# Altium PCB Gatorsynth_Sequencer.PcbDoc (part 3 of 3)
Units mm, origin at the board's own origin, x right, y up, seen from the top; angles counter-clockwise.
Board outline 320 x 113.4 mm, 2 copper layers (Top Layer, Bottom Layer); 245 components, 280 nets, 1041 pads, 279 vias.
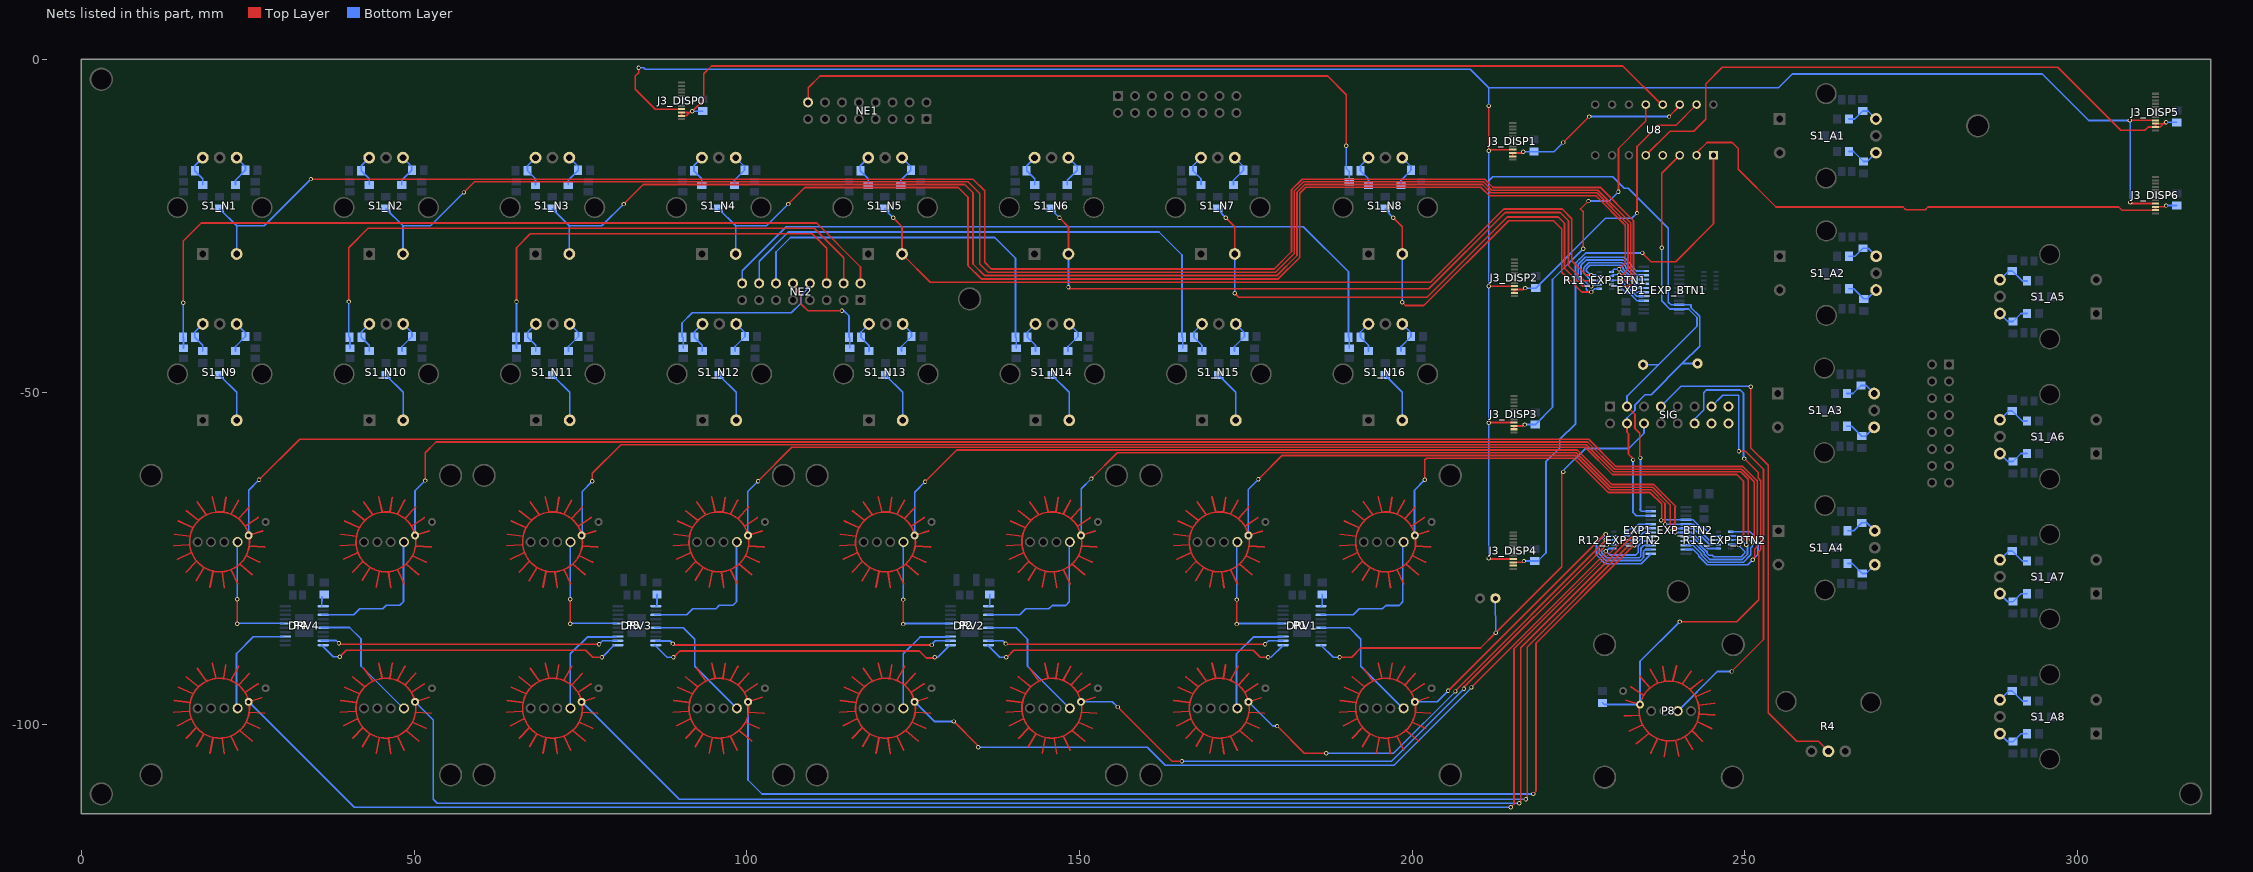
[diagram p3: the nets of this part, all layers, seen from the top]

## Via types
v1: diameter 0.64, hole 0.381, Top Layer to Bottom Layer, 278 vias
v2: diameter 0.55, hole 0.25, Top Layer to Bottom Layer, 1 vias

## Nets (pads, with @x,y where several pads share a name; then routed paths per layer and width w, separated by ;. In a path a pad name is that pad's centre, name@x,y a point inside that pad or via, vN(x,y) a via of type N, cw(c..) or ccw(c..) an arc to the next point about the centre after c; other vN are vias at no path point) (continued)
NE_R7: C2_N8.2 NE1.16 R3_N8.2 | length 98.2
  Top Layer w0.254: NE1.16@109.22,-6.46 109.22,-4.288 111.004,-2.504 187.304,-2.504 190.1,-5.3 v1(190.1,-13)
  Bottom Layer w0.254: v1(190.1,-13) 190.1,-16.418 190.535,-16.853 C2_N8.2@190.535,-18.403
NE_R8: C2_N9.2 NE2.2 R3_N9.2 | length 124.2
  Top Layer w0.254: v1(15.3,-36.6) 15.3,-27.3 18,-24.6 110.5,-24.6 117.1,-31.2 NE2.2@117.1,-33.66
  Bottom Layer w0.254: R3_N9.2@15.26,-41.753 15.36,-41.853 C2_N9.2@15.36,-43.403 ; R3_N9.2@15.3,-41.713 v1(15.3,-36.6)
NE_R9: C2_N10.2 NE2.4 R3_N10.2 | length 96.3
  Top Layer w0.254: v1(40.2,-36.4) 40.2,-28.3 43.092,-25.408 110.165,-25.408 114.56,-29.803 NE2.4@114.56,-33.66
  Bottom Layer w0.254: R3_N10.2@40.2,-41.691 v1(40.2,-36.4) ; R3_N10.2@40.285,-41.753 40.385,-41.853 C2_N10.2@40.385,-43.403
NE_R10: C2_N11.2 NE2.6 R3_N11.2 | length 68.7
  Top Layer w0.254: v1(65.4,-36.4) 65.4,-28.3 67.484,-26.216 109.831,-26.216 112.02,-28.405 NE2.6@112.02,-33.66
  Bottom Layer w0.254: R3_N11.2@65.31,-41.753 65.41,-41.853 C2_N11.2@65.41,-43.403 ; R3_N11.2@65.4,-41.617 v1(65.4,-36.4)
NE_R11: C2_N12.2 NE2.8 R3_N12.2 | length 26.4
  Bottom Layer w0.254: R3_N12.2@90.266,-41.684 90.266,-39.634 91.8,-38.1 104.447,-38.1 104.451,-38.096 106.704,-38.096 108.1,-36.7 108.1,-35.5 109.135,-34.465 109.135,-34.005 NE2.8@109.48,-33.66 ; R3_N12.2@90.335,-41.753 90.435,-41.853 C2_N12.2@90.435,-43.403
NE_R12: C2_N13.2 NE2.10 R3_N13.2 | length 16.4
  Top Layer w0.254: NE2.10@106.94,-33.66 106.94,-34.04 108.2,-35.3 108.2,-36.8 109.2,-37.8 v1(114.3,-37.8)
  Bottom Layer w0.254: v1(114.3,-37.8) 114.6,-37.8 115.36,-38.56 R3_N13.2@115.36,-41.753 115.46,-41.853 C2_N13.2@115.46,-43.403
NE_R13: C2_N14.2 NE2.12 R3_N14.2 | length 56.4
  Bottom Layer w0.254: NE2.12@104.4,-33.66 104.4,-28.957 106.587,-26.77 137.27,-26.77 140.385,-29.885 R3_N14.2@140.385,-41.753 140.485,-41.853 C2_N14.2@140.485,-43.403
NE_R14: C2_N15.2 NE2.14 R3_N15.2 | length 84.1
  Bottom Layer w0.254: NE2.14@101.86,-33.66 101.86,-30.354 106.252,-25.962 161.962,-25.962 165.41,-29.41 R3_N15.2@165.41,-41.753 165.51,-41.853 C2_N15.2@165.51,-43.403
NE_R15: C2_N16.2 NE2.16 R3_N16.2 | length 110.1
  Bottom Layer w0.254: NE2.16@99.32,-33.66 99.32,-31.751 105.917,-25.154 183.654,-25.154 190.435,-31.935 R3_N16.2@190.435,-41.753 190.535,-41.853 C2_N16.2@190.535,-43.403
NE_SW0: EXP1_EXP_BTN1.4 R1_N1.2 R11_EXP_BTN1.4 S1_N1.2 | length 263.7
  Top Layer w0.254: v1(34.5,-18) 134,-18 135.75,-19.75 135.75,-30.5 136.75,-31.5 179.25,-31.5 181.875,-28.875 181.875,-19.625 183.5,-18 210.893,-18 212.145,-19.252 220.829,-19.252 220.831,-19.25 228.25,-19.25 233.25,-24.25 233.25,-33.5 232.683,-34.067 v1(231.129,-34.067)
  Bottom Layer w0.254: R1_N1.2@20.76,-22.453 23.34,-25.033 ; S1_N1.2@23.34,-29.253 23.34,-25.033 ; v1(34.5,-18) 27.467,-25.033 23.34,-25.033 ; R11_EXP_BTN1.4@229.944,-33.852 230.137,-34.045 231.107,-34.045 v1(231.129,-34.067) 232.166,-35.105 232.62,-35.105 233.778,-36.262 EXP1_EXP_BTN1.4@234.821,-36.262
NE_SW1: EXP1_EXP_BTN1.5 R1_N2.2 R11_EXP_BTN1.3 S1_N2.2 | length 236.7
  Top Layer w0.254: v1(57.5,-20) 59.096,-18.404 133.25,-18.404 135,-20.154 135,-30.75 136.25,-32 179.457,-32 182.279,-29.178 182.279,-19.792 183.667,-18.404 210.725,-18.404 211.977,-19.656 220.996,-19.656 220.998,-19.654 227.904,-19.654 232.846,-24.596 232.846,-32.904 232.533,-33.217 v1(231.129,-33.217)
  Bottom Layer w0.254: R1_N2.2@45.76,-22.453 48.34,-25.033 ; S1_N2.2@48.34,-29.253 48.34,-25.033 ; v1(57.5,-20) 52.467,-25.033 48.34,-25.033 ; R11_EXP_BTN1.3@229.944,-33.217 v1(231.129,-33.217) 231.317,-33.217 233.727,-35.627 EXP1_EXP_BTN1.5@234.821,-35.627
NE_SW2: EXP1_EXP_BTN1.6 R1_N3.2 R11_EXP_BTN1.2 S1_N3.2 | length 209.7
  Top Layer w0.254: v1(81.5,-21.75) 84.442,-18.808 132.75,-18.808 134,-20.058 134,-30.75 135.75,-32.5 179.664,-32.5 182.683,-29.481 182.683,-19.96 183.835,-18.808 210.558,-18.808 211.81,-20.06 221.163,-20.06 221.165,-20.058 227.737,-20.058 232.442,-24.763 232.442,-31.558 231.633,-32.367 v1(231.129,-32.367)
  Bottom Layer w0.254: R1_N3.2@70.76,-22.453 73.34,-25.033 ; S1_N3.2@73.34,-29.253 73.34,-25.033 ; v1(81.5,-21.75) 78.217,-25.033 73.34,-25.033 ; R11_EXP_BTN1.2@229.944,-32.582 230.137,-32.39 231.107,-32.39 v1(231.129,-32.367) 233.754,-34.992 EXP1_EXP_BTN1.6@234.821,-34.992
NE_SW3: EXP1_EXP_BTN1.7 R1_N4.2 R11_EXP_BTN1.1 S1_N4.2 | length 182.7
  Top Layer w0.254: v1(106.25,-21.75) 108.75,-19.25 131.75,-19.25 133.25,-20.75 133.25,-31 135.25,-33 179.871,-33 183.087,-29.784 183.087,-20.127 184.002,-19.212 210.312,-19.212 211.618,-20.518 227.625,-20.518 232.038,-24.931 232.038,-30.609 v1(231.084,-31.562)
  Bottom Layer w0.254: R1_N4.2@95.76,-22.453 98.34,-25.033 ; S1_N4.2@98.34,-29.253 98.34,-25.033 ; v1(106.25,-21.75) 102.967,-25.033 98.34,-25.033 ; R11_EXP_BTN1.1@229.944,-31.947 230.374,-31.517 230.419,-31.562 v1(231.084,-31.562) 231.174,-31.562 233.969,-34.357 EXP1_EXP_BTN1.7@234.821,-34.357
NE_SW4: EXP1_EXP_BTN1.8 R1_N5.2 R11_EXP_BTN1.9 S1_N5.2 | length 138.3
  Top Layer w0.254: v1(122,-23.8) 123.34,-25.14 S1_N5.2@123.34,-29.253 127.587,-33.5 202.75,-33.5 213.768,-22.482 222.541,-22.482 224,-23.941 224,-30.25 226.167,-32.417 v1(226.929,-32.417)
  Bottom Layer w0.254: R1_N5.2@120.76,-22.453 120.76,-22.56 v1(122,-23.8) ; R11_EXP_BTN1.9@228.115,-32.582 227.75,-32.582 227.585,-32.417 v1(226.929,-32.417) 226.817,-32.417 226.175,-31.775 226.175,-31.541 226.332,-31.384 226.332,-31.32 226.682,-30.97 226.746,-30.97 226.751,-30.965 231.358,-30.965 231.681,-31.289 231.681,-31.406 ; 231.682,-31.406 231.682,-31.424 231.685,-31.427 231.685,-31.443 231.69,-31.448 231.69,-31.462 231.697,-31.469 231.697,-31.481 231.707,-31.49 231.707,-31.501 231.718,-31.512 231.718,-31.52 231.732,-31.534 231.732,-31.54 231.748,-31.556 231.748,-31.561 231.765,-31.578 231.765,-31.581 231.785,-31.601 233.906,-33.722 EXP1_EXP_BTN1.8@234.821,-33.722
NE_SW5: EXP1_EXP_BTN1.9 R1_N6.2 R11_EXP_BTN1.8 S1_N6.2 | length 118.7
  Top Layer w0.254: v1(147,-23.8) 148.34,-25.14 S1_N6.2@148.34,-29.253 ; v1(148.34,-34.25) 148.59,-34.5 202.5,-34.5 213.987,-23.013 222.263,-23.013 223.5,-24.25 223.5,-31 225.767,-33.267 v1(226.929,-33.267)
  Bottom Layer w0.254: R1_N6.2@145.76,-22.453 145.76,-22.56 v1(147,-23.8) ; v1(148.34,-34.25) S1_N6.2@148.34,-29.253 ; R11_EXP_BTN1.8@228.115,-33.217 228.065,-33.267 v1(226.929,-33.267) 225.771,-32.109 225.771,-31.374 225.928,-31.217 225.928,-31.153 226.515,-30.566 226.578,-30.566 226.583,-30.561 231.525,-30.561 232.085,-31.122 232.085,-31.238 ; 232.086,-31.239 232.086,-31.257 232.089,-31.26 232.089,-31.275 232.094,-31.28 232.094,-31.294 232.101,-31.302 232.101,-31.314 232.111,-31.323 232.111,-31.333 232.122,-31.345 232.122,-31.353 232.136,-31.367 232.136,-31.373 232.152,-31.389 232.152,-31.393 232.169,-31.411 232.169,-31.414 232.189,-31.434 233.842,-33.087 EXP1_EXP_BTN1.9@234.821,-33.087
NE_SW6: EXP1_EXP_BTN1.10 R1_N7.2 R11_EXP_BTN1.7 S1_N7.2 | length 97
  Top Layer w0.254: v1(172,-23.8) 173.34,-25.14 S1_N7.2@173.34,-29.253 ; v1(173.34,-35.16) 173.93,-35.75 202.232,-35.75 214.275,-23.707 221.957,-23.707 222.904,-24.654 222.904,-31.404 225.617,-34.117 v1(226.929,-34.117)
  Bottom Layer w0.254: R1_N7.2@170.76,-22.453 170.76,-22.56 v1(172,-23.8) ; v1(173.34,-35.16) S1_N7.2@173.34,-29.253 ; R11_EXP_BTN1.7@228.115,-33.852 227.194,-33.852 v1(226.929,-34.117) 226.717,-34.117 225.375,-32.775 225.375,-32.285 225.367,-32.277 225.367,-30.94 225.414,-30.894 225.43,-30.894 226.166,-30.157 231.693,-30.157 232.489,-30.954 232.489,-31.071 ; 232.49,-31.072 232.49,-31.089 232.493,-31.092 232.493,-31.108 232.498,-31.113 232.498,-31.127 232.505,-31.134 232.505,-31.146 232.515,-31.156 232.515,-31.166 232.526,-31.177 232.526,-31.186 232.54,-31.199 232.54,-31.206 232.556,-31.221 232.556,-31.226 232.573,-31.244 232.573,-31.247 232.593,-31.266 ; 232.593,-31.267 233.778,-32.452 EXP1_EXP_BTN1.10@234.821,-32.452
NE_SW7: EXP1_EXP_BTN1.11 R1_N8.2 R11_EXP_BTN1.6 S1_N8.2 | length 75.1
  Top Layer w0.254: v1(197.175,-23.8) 198.515,-25.14 S1_N8.2@198.515,-29.253 ; v1(198.5,-36.5) 199,-37 201.75,-37 214.5,-24.25 221.25,-24.25 222.5,-25.5 222.5,-32 225.467,-34.967 v1(226.929,-34.967)
  Bottom Layer w0.254: R1_N8.2@195.935,-22.453 195.935,-22.56 v1(197.175,-23.8) ; v1(198.5,-36.5) 198.515,-36.485 S1_N8.2@198.515,-29.253 ; R11_EXP_BTN1.6@228.115,-34.487 227.409,-34.487 v1(226.929,-34.967) 226.567,-34.967 226.175,-34.575 226.175,-34.146 224.963,-32.934 224.963,-30.773 225.246,-30.49 225.262,-30.49 225.998,-29.753 231.86,-29.753 232.893,-30.787 232.893,-30.903 ; 232.894,-30.904 232.894,-30.922 232.897,-30.925 232.897,-30.941 232.902,-30.946 232.902,-30.96 232.909,-30.967 232.909,-30.979 232.919,-30.988 232.919,-30.998 232.93,-31.01 232.93,-31.018 232.944,-31.032 232.944,-31.038 232.96,-31.054 232.96,-31.059 232.977,-31.076 232.977,-31.079 232.997,-31.099 ; 232.997,-31.1 233.715,-31.817 EXP1_EXP_BTN1.11@234.821,-31.817
NE_SW8: R1_N9.2 S1_N9.2 | length 7.9
  Bottom Layer w0.254: R1_N9.2@20.76,-47.453 23.34,-50.033 S1_N9.2@23.34,-54.253
NE_SW9: R1_N10.2 S1_N10.2 | length 7.9
  Bottom Layer w0.254: R1_N10.2@45.785,-47.453 48.365,-50.033 S1_N10.2@48.365,-54.253
NE_SW10: R1_N11.2 S1_N11.2 | length 7.9
  Bottom Layer w0.254: R1_N11.2@70.81,-47.453 73.39,-50.033 S1_N11.2@73.39,-54.253
NE_SW11: R1_N12.2 S1_N12.2 | length 7.9
  Bottom Layer w0.254: R1_N12.2@95.835,-47.453 98.415,-50.033 S1_N12.2@98.415,-54.253
NE_SW12: R1_N13.2 S1_N13.2 | length 7.9
  Bottom Layer w0.254: R1_N13.2@120.86,-47.453 123.44,-50.033 S1_N13.2@123.44,-54.253
NE_SW13: R1_N14.2 S1_N14.2 | length 7.9
  Bottom Layer w0.254: R1_N14.2@145.885,-47.453 148.465,-50.033 S1_N14.2@148.465,-54.253
NE_SW14: R1_N15.2 S1_N15.2 | length 7.9
  Bottom Layer w0.254: R1_N15.2@170.91,-47.453 173.49,-50.033 S1_N15.2@173.49,-54.253
NE_SW15: R1_N16.2 S1_N16.2 | length 7.9
  Bottom Layer w0.254: R1_N16.2@195.935,-47.453 198.515,-50.033 S1_N16.2@198.515,-54.253
NetC3_1: 
NetC25_CC1_1: 
NetC25_CC2_1: 
NetC26_2: 
NetC27_1: 
NetC27_2: 
NetDRV1_1: DRV1.1 R5.2 | length 1.9
  Bottom Layer w0.254: DRV1.1@186.305,-82.182 186.5,-81.987 R5.2@186.5,-80.4
NetDRV2_1: DRV2.1 R6.2 | length 1.9
  Bottom Layer w0.254: DRV2.1@136.323,-82.182 136.5,-82.005 R6.2@136.5,-80.4
NetDRV3_1: DRV3.1 R7.2 | length 1.8
  Bottom Layer w0.254: DRV3.1@86.341,-82.182 86.5,-82.023 R7.2@86.5,-80.4
NetDRV4_1: DRV4.1 R8.2 | length 1.5
  Bottom Layer w0.254: DRV4.1@36.14,-82.258 R8.2@36.175,-80.8
NetJ1_2: 
NetJ2_1: 
NetJ4_2: 
NetJ4_4: 
NetJ4_6: 
NetJ4_8: 
NetJ4_10: 
NetP5_1: 
NetP6_1: 
NetP6_2: 
NetP7_1: 
NetP7_2: 
NetP7_3: 
NetP9_RIB3_14: SIG.14
NetP9_RIB3_15: SIG.15
NetP9_RIB3_16: SIG.16
NetR2_A1_1: R2_A1.1 R34_A1.2 S1_A1.3 | length 5.6
  Top Layer w0.254: S1_A1.3@269.7,-14.4 S1_A1.3@269.7,-14.04
  Bottom Layer w0.254: R34_A1.2@265.622,-13.86 266.322,-13.86 R2_A1.1@267.822,-15.36 268.38,-15.36 S1_A1.3@269.7,-14.04
NetR2_A2_1: R2_A2.1 R34_A2.2 S1_A2.3 | length 5.2
  Bottom Layer w0.254: R34_A2.2@265.647,-34.493 266.347,-34.493 R2_A2.1@267.847,-35.993 268.405,-35.993 S1_A2.3@269.725,-34.673
NetR2_A3_1: R2_A3.1 R34_A3.2 S1_A3.3 | length 5.2
  Bottom Layer w0.254: R34_A3.2@265.347,-55.127 266.047,-55.127 R2_A3.1@267.547,-56.627 268.105,-56.627 S1_A3.3@269.425,-55.307
NetR2_A4_1: R2_A4.1 R34_A4.2 S1_A4.3 | length 5.2
  Bottom Layer w0.254: R34_A4.2@265.447,-75.76 266.147,-75.76 R2_A4.1@267.647,-77.26 268.205,-77.26 S1_A4.3@269.525,-75.94
NetR2_A5_1: R2_A5.1 R34_A5.2 S1_A5.3 | length 5.2
  Bottom Layer w0.254: S1_A5.3@288.322,-33.12 289.642,-31.8 R2_A5.1@290.2,-31.8 291.7,-33.3 R34_A5.2@292.4,-33.3
NetR2_A6_1: R2_A6.1 R34_A6.2 S1_A6.3 | length 5.2
  Bottom Layer w0.254: S1_A6.3@288.322,-54.167 289.642,-52.847 R2_A6.1@290.2,-52.847 291.7,-54.347 R34_A6.2@292.4,-54.347
NetR2_A7_1: R2_A7.1 R34_A7.2 S1_A7.3 | length 5.2
  Bottom Layer w0.254: S1_A7.3@288.322,-75.213 289.642,-73.893 R2_A7.1@290.2,-73.893 291.7,-75.393 R34_A7.2@292.4,-75.393
NetR2_A8_1: R2_A8.1 R34_A8.2 S1_A8.3 | length 5.2
  Bottom Layer w0.254: S1_A8.3@288.322,-96.26 289.642,-94.94 R2_A8.1@290.2,-94.94 291.7,-96.44 R34_A8.2@292.4,-96.44
NetR2_N1_1: R2_N1.1 R34_N1.2 S1_N1.3 | length 5.2
  Bottom Layer w0.254: R34_N1.2@23.16,-18.853 23.16,-18.153 R2_N1.1@24.66,-16.653 24.66,-16.095 S1_N1.3@23.34,-14.775
NetR2_N2_1: R2_N2.1 R34_N2.2 S1_N2.3 | length 5.2
  Bottom Layer w0.254: R34_N2.2@48.16,-18.853 48.16,-18.153 R2_N2.1@49.66,-16.653 49.66,-16.095 S1_N2.3@48.34,-14.775
NetR2_N3_1: R2_N3.1 R34_N3.2 S1_N3.3 | length 5.2
  Bottom Layer w0.254: R34_N3.2@73.16,-18.853 73.16,-18.153 R2_N3.1@74.66,-16.653 74.66,-16.095 S1_N3.3@73.34,-14.775
NetR2_N4_1: R2_N4.1 R34_N4.2 S1_N4.3 | length 5.2
  Bottom Layer w0.254: R34_N4.2@98.16,-18.853 98.16,-18.153 R2_N4.1@99.66,-16.653 99.66,-16.095 S1_N4.3@98.34,-14.775
NetR2_N5_1: R2_N5.1 R34_N5.2 S1_N5.3 | length 5.2
  Bottom Layer w0.254: R34_N5.2@123.16,-18.853 123.16,-18.153 R2_N5.1@124.66,-16.653 124.66,-16.095 S1_N5.3@123.34,-14.775
NetR2_N6_1: R2_N6.1 R34_N6.2 S1_N6.3 | length 5.2
  Bottom Layer w0.254: R34_N6.2@148.16,-18.853 148.16,-18.153 R2_N6.1@149.66,-16.653 149.66,-16.095 S1_N6.3@148.34,-14.775
NetR2_N7_1: R2_N7.1 R34_N7.2 S1_N7.3 | length 5.2
  Bottom Layer w0.254: R34_N7.2@173.16,-18.853 173.16,-18.153 R2_N7.1@174.66,-16.653 174.66,-16.095 S1_N7.3@173.34,-14.775
NetR2_N8_1: R2_N8.1 R34_N8.2 S1_N8.3 | length 5.2
  Bottom Layer w0.254: R34_N8.2@198.335,-18.853 198.335,-18.153 R2_N8.1@199.835,-16.653 199.835,-16.095 S1_N8.3@198.515,-14.775
NetR2_N9_1: R2_N9.1 R34_N9.2 S1_N9.3 | length 5.2
  Bottom Layer w0.254: R34_N9.2@23.16,-43.853 23.16,-43.153 R2_N9.1@24.66,-41.653 24.66,-41.095 S1_N9.3@23.34,-39.775
NetR2_N10_1: R2_N10.1 R34_N10.2 S1_N10.3 | length 5.2
  Bottom Layer w0.254: R34_N10.2@48.185,-43.853 48.185,-43.153 R2_N10.1@49.685,-41.653 49.685,-41.095 S1_N10.3@48.365,-39.775
NetR2_N11_1: R2_N11.1 R34_N11.2 S1_N11.3 | length 5.2
  Bottom Layer w0.254: R34_N11.2@73.21,-43.853 73.21,-43.153 R2_N11.1@74.71,-41.653 74.71,-41.095 S1_N11.3@73.39,-39.775
NetR2_N12_1: R2_N12.1 R34_N12.2 S1_N12.3 | length 5.2
  Bottom Layer w0.254: R34_N12.2@98.235,-43.853 98.235,-43.153 R2_N12.1@99.735,-41.653 99.735,-41.095 S1_N12.3@98.415,-39.775
NetR2_N13_1: R2_N13.1 R34_N13.2 S1_N13.3 | length 5.2
  Bottom Layer w0.254: R34_N13.2@123.26,-43.853 123.26,-43.153 R2_N13.1@124.76,-41.653 124.76,-41.095 S1_N13.3@123.44,-39.775
NetR2_N14_1: R2_N14.1 R34_N14.2 S1_N14.3 | length 5.2
  Bottom Layer w0.254: R34_N14.2@148.285,-43.853 148.285,-43.153 R2_N14.1@149.785,-41.653 149.785,-41.095 S1_N14.3@148.465,-39.775
NetR2_N15_1: R2_N15.1 R34_N15.2 S1_N15.3 | length 5.2
  Bottom Layer w0.254: R34_N15.2@173.31,-43.853 173.31,-43.153 R2_N15.1@174.81,-41.653 174.81,-41.095 S1_N15.3@173.49,-39.775
NetR2_N16_1: R2_N16.1 R34_N16.2 S1_N16.3 | length 5.2
  Bottom Layer w0.254: R34_N16.2@198.335,-43.853 198.335,-43.153 R2_N16.1@199.835,-41.653 199.835,-41.095 S1_N16.3@198.515,-39.775
NetR3_A1_1: R3_A1.1 R35_A1.2 S1_A1.5 | length 5.1
  Bottom Layer w0.254: R35_A1.2@265.622,-8.96 266.522,-8.96 R3_A1.1@267.722,-7.76 268.5,-7.76 S1_A1.5@269.7,-8.96
NetR3_A2_1: R3_A2.1 R35_A2.2 S1_A2.5 | length 5.1
  Bottom Layer w0.254: R35_A2.2@265.647,-29.593 266.547,-29.593 R3_A2.1@267.747,-28.393 268.525,-28.393 S1_A2.5@269.725,-29.593
NetR3_A3_1: R3_A3.1 R35_A3.2 S1_A3.5 | length 5.1
  Bottom Layer w0.254: R35_A3.2@265.347,-50.227 266.247,-50.227 R3_A3.1@267.447,-49.027 268.225,-49.027 S1_A3.5@269.425,-50.227
NetR3_A4_1: R3_A4.1 R35_A4.2 S1_A4.5 | length 5.1
  Bottom Layer w0.254: R35_A4.2@265.447,-70.86 266.347,-70.86 R3_A4.1@267.547,-69.66 268.325,-69.66 S1_A4.5@269.525,-70.86
NetR3_A5_1: R3_A5.1 R35_A5.2 S1_A5.5 | length 5.1
  Bottom Layer w0.254: S1_A5.5@288.322,-38.2 289.522,-39.4 R3_A5.1@290.3,-39.4 291.5,-38.2 R35_A5.2@292.4,-38.2
NetR3_A6_1: R3_A6.1 R35_A6.2 S1_A6.5 | length 5.1
  Bottom Layer w0.254: S1_A6.5@288.322,-59.247 289.522,-60.447 R3_A6.1@290.3,-60.447 291.5,-59.247 R35_A6.2@292.4,-59.247
NetR3_A7_1: R3_A7.1 R35_A7.2 S1_A7.5 | length 5.1
  Bottom Layer w0.254: S1_A7.5@288.322,-80.293 289.522,-81.493 R3_A7.1@290.3,-81.493 291.5,-80.293 R35_A7.2@292.4,-80.293
NetR3_A8_1: R3_A8.1 R35_A8.2 S1_A8.5 | length 5.1
  Bottom Layer w0.254: S1_A8.5@288.322,-101.34 289.522,-102.54 R3_A8.1@290.3,-102.54 291.5,-101.34 R35_A8.2@292.4,-101.34
NetR3_N1_1: R3_N1.1 R35_N1.2 S1_N1.5 | length 5.1
  Bottom Layer w0.254: R35_N1.2@18.26,-18.853 18.26,-17.953 R3_N1.1@17.06,-16.753 17.06,-15.975 S1_N1.5@18.26,-14.775
NetR3_N2_1: R3_N2.1 R35_N2.2 S1_N2.5 | length 5.1
  Bottom Layer w0.254: R35_N2.2@43.26,-18.853 43.26,-17.953 R3_N2.1@42.06,-16.753 42.06,-15.975 S1_N2.5@43.26,-14.775
NetR3_N3_1: R3_N3.1 R35_N3.2 S1_N3.5 | length 5.1
  Bottom Layer w0.254: R35_N3.2@68.26,-18.853 68.26,-17.953 R3_N3.1@67.06,-16.753 67.06,-15.975 S1_N3.5@68.26,-14.775
NetR3_N4_1: R3_N4.1 R35_N4.2 S1_N4.5 | length 5.1
  Bottom Layer w0.254: R35_N4.2@93.26,-18.853 93.26,-17.953 R3_N4.1@92.06,-16.753 92.06,-15.975 S1_N4.5@93.26,-14.775
NetR3_N5_1: R3_N5.1 R35_N5.2 S1_N5.5 | length 5.1
  Bottom Layer w0.254: R35_N5.2@118.26,-18.853 118.26,-17.953 R3_N5.1@117.06,-16.753 117.06,-15.975 S1_N5.5@118.26,-14.775
NetR3_N6_1: R3_N6.1 R35_N6.2 S1_N6.5 | length 5.1
  Bottom Layer w0.254: R35_N6.2@143.26,-18.853 143.26,-17.953 R3_N6.1@142.06,-16.753 142.06,-15.975 S1_N6.5@143.26,-14.775
NetR3_N7_1: R3_N7.1 R35_N7.2 S1_N7.5 | length 5.1
  Bottom Layer w0.254: R35_N7.2@168.26,-18.853 168.26,-17.953 R3_N7.1@167.06,-16.753 167.06,-15.975 S1_N7.5@168.26,-14.775
NetR3_N8_1: R3_N8.1 R35_N8.2 S1_N8.5 | length 5.1
  Bottom Layer w0.254: R35_N8.2@193.435,-18.853 193.435,-17.953 R3_N8.1@192.235,-16.753 192.235,-15.975 S1_N8.5@193.435,-14.775
NetR3_N9_1: R3_N9.1 R35_N9.2 S1_N9.5 | length 5.1
  Bottom Layer w0.254: R35_N9.2@18.26,-43.853 18.26,-42.953 R3_N9.1@17.06,-41.753 17.06,-40.975 S1_N9.5@18.26,-39.775
NetR3_N10_1: R3_N10.1 R35_N10.2 S1_N10.5 | length 5.1
  Bottom Layer w0.254: R35_N10.2@43.285,-43.853 43.285,-42.953 R3_N10.1@42.085,-41.753 42.085,-40.975 S1_N10.5@43.285,-39.775
NetR3_N11_1: R3_N11.1 R35_N11.2 S1_N11.5 | length 5.1
  Bottom Layer w0.254: R35_N11.2@68.31,-43.853 68.31,-42.953 R3_N11.1@67.11,-41.753 67.11,-40.975 S1_N11.5@68.31,-39.775
NetR3_N12_1: R3_N12.1 R35_N12.2 S1_N12.5 | length 5.1
  Bottom Layer w0.254: R35_N12.2@93.335,-43.853 93.335,-42.953 R3_N12.1@92.135,-41.753 92.135,-40.975 S1_N12.5@93.335,-39.775
NetR3_N13_1: R3_N13.1 R35_N13.2 S1_N13.5 | length 5.1
  Bottom Layer w0.254: R35_N13.2@118.36,-43.853 118.36,-42.953 R3_N13.1@117.16,-41.753 117.16,-40.975 S1_N13.5@118.36,-39.775
NetR3_N14_1: R3_N14.1 R35_N14.2 S1_N14.5 | length 5.1
  Bottom Layer w0.254: R35_N14.2@143.385,-43.853 143.385,-42.953 R3_N14.1@142.185,-41.753 142.185,-40.975 S1_N14.5@143.385,-39.775
NetR3_N15_1: R3_N15.1 R35_N15.2 S1_N15.5 | length 5.1
  Bottom Layer w0.254: R35_N15.2@168.41,-43.853 168.41,-42.953 R3_N15.1@167.21,-41.753 167.21,-40.975 S1_N15.5@168.41,-39.775
NetR3_N16_1: R3_N16.1 R35_N16.2 S1_N16.5 | length 5.1
  Bottom Layer w0.254: R35_N16.2@193.435,-43.853 193.435,-42.953 R3_N16.1@192.235,-41.753 192.235,-40.975 S1_N16.5@193.435,-39.775
NetR13_CC1_1: 
NetR13_CC2_1: 
NetR19_GC0_1: 
NetR19_GC1_1: 
NetR21_GC0_2: 
NetR21_GC1_2: 
NetR26_1: 
NetR27_1: 
NetR29_2: 
NetR32_1: 
NetU1_42: 
NOTE_LEN: R4.2 SIG.7 | length 76.3
  Top Layer w0.254: v1(250.9,-49.2) 250.9,-58.4 253.5,-61 253.5,-98.2 257.8,-102.5 261.057,-102.5 R4.2@262.55,-103.993
  Bottom Layer w0.254: SIG.7@237.37,-52.175 240.4,-49.145 250.845,-49.145 v1(250.9,-49.2)
PLAY/PAUSE_LED: 
PP_BTN: P8.SIG2 R25.1 SIG.12 | length 77.7
  Top Layer w0.254: v1(240.2,-84.5) 248.8,-84.5 252.067,-81.233 252.067,-74.004 252.396,-73.675 252.396,-63.311 252,-62.915 252,-62.1 v1(249.9,-60)
  Bottom Layer w0.254: R25.1@228.6,-96.7 228.867,-96.967 P8.SIG2@234.241,-96.967 234.241,-90.459 v1(240.2,-84.5) ; SIG.12@242.45,-54.715 242.45,-54.05 243.8,-52.7 243.8,-50.1 244.2,-49.7 249.325,-49.7 249.8,-50.175 249.8,-59.9 v1(249.9,-60)
PP_LED: P8.GRN1 SIG.13 | length 61
  Top Layer w0.254: v1(248,-92) 252.8,-87.2 252.8,-61.6 250.1,-58.9 v1(249.1,-58.9)
  Bottom Layer w0.254: P8.GRN1@239.913,-97.948 245.861,-92 v1(248,-92) ; SIG.13@244.99,-52.175 246.665,-50.5 249.1,-50.5 v1(249.1,-58.9)
RED1: DRV1.3 P1.RED1 | length 22.1
  Bottom Layer w0.254: DRV1.3@186.305,-83.482 191.131,-83.482 192.035,-82.578 195.504,-82.578 196.012,-82.07 198.051,-82.07 198.599,-81.522 P1.RED1@198.599,-72.529
RED2: DRV1.16 P1.RED2 | length 19.9
  Top Layer w0.254: v1@173.493,-84.737 173.62,-84.61 v1(173.62,-81.181)
  Bottom Layer w0.254: P1.RED2@173.239,-72.169 P1.RED2@173.599,-72.529 ; v1(173.62,-84.864) 173.702,-84.782 DRV1.16@180.605,-84.782 ; v1(173.62,-81.181) P1.RED2@173.62,-72.458
RED3: DRV2.3 P2.RED1 | length 22.1
  Bottom Layer w0.254: DRV2.3@136.191,-83.482 DRV2.3@136.323,-83.482 141.017,-83.482 141.921,-82.578 145.39,-82.578 145.898,-82.07 147.937,-82.07 148.485,-81.522 P2.RED1@148.485,-72.529
RED4: DRV2.16 P2.RED2 | length 19.4
  Top Layer w0.254: v1@123.379,-84.737 123.506,-84.61 v1(123.506,-81.181)
  Bottom Layer w0.254: v1(123.506,-84.864) 123.588,-84.782 DRV2.16@130.491,-84.782 ; v1(123.506,-81.181) P2.RED2@123.506,-72.458
RED5: DRV3.3 P3.RED1 | length 22.1
  Bottom Layer w0.254: DRV3.3@86.178,-83.457 91.004,-83.457 91.908,-82.553 95.377,-82.553 95.885,-82.045 97.924,-82.045 98.472,-81.496 P3.RED1@98.472,-72.504
RED6: DRV3.16 P3.RED2 | length 19.4
  Top Layer w0.254: v1@73.366,-84.712 73.493,-84.585 v1(73.493,-81.156)
  Bottom Layer w0.254: v1(73.493,-84.839) 73.575,-84.757 DRV3.16@80.478,-84.757 ; v1(73.493,-81.156) P3.RED2@73.493,-72.433
RED7: DRV4.3 P4.RED1 | length 22.1
  Bottom Layer w0.254: DRV4.3@36.115,-83.457 40.941,-83.457 41.845,-82.553 45.314,-82.553 45.822,-82.045 47.861,-82.045 48.409,-81.496 P4.RED1@48.409,-72.504
RED8: DRV4.16 P4.RED2 | length 19.4
  Top Layer w0.254: v1@23.303,-84.712 23.43,-84.585 v1(23.43,-81.156)
  Bottom Layer w0.254: v1(23.43,-84.839) 23.512,-84.757 DRV4.16@30.415,-84.757 ; v1(23.43,-81.156) P4.RED2@23.43,-72.433
RED9: DRV1.6 P1.RED3 | length 19.7
  Bottom Layer w0.254: DRV1.6@186.305,-85.432 190.571,-85.432 192.289,-87.15 192.289,-91.219 P1.RED3@198.599,-97.529
RED10: DRV1.13 P1.RED4 | length 16.3
  Bottom Layer w0.254: P1.RED4@173.599,-97.529 173.599,-89.356 176.128,-86.826 180.511,-86.826 DRV1.13@180.605,-86.732
RED11: DRV2.6 P2.RED3 | length 19.7
  Bottom Layer w0.254: DRV2.6@136.216,-85.432 DRV2.6@136.323,-85.432 140.482,-85.432 142.2,-87.15 142.2,-91.219 P2.RED3@148.51,-97.529
RED12: DRV2.13 P2.RED4 | length 16.1
  Bottom Layer w0.254: P2.RED4@123.51,-97.529 123.51,-89.356 126.04,-86.826 DRV2.13@130.422,-86.826
RED13: DRV3.6 P3.RED3 | length 19.7
  Bottom Layer w0.254: DRV3.6@86.204,-85.432 90.47,-85.432 92.188,-87.15 92.188,-91.219 P3.RED3@98.497,-97.529
RED14: DRV3.13 P3.RED4 | length 16.1
  Bottom Layer w0.254: P3.RED4@73.497,-97.529 73.497,-89.356 76.027,-86.826 DRV3.13@80.41,-86.826
RED15: DRV4.6 P4.RED3 | length 19.7
  Bottom Layer w0.254: DRV4.6@36.039,-85.381 40.305,-85.381 42.023,-87.099 42.023,-91.168 P4.RED3@48.332,-97.478
RED16: DRV4.13 P4.RED4 | length 16.1
  Bottom Layer w0.254: P4.RED4@23.332,-97.478 23.332,-89.305 25.862,-86.775 DRV4.13@30.245,-86.775
SCKO1: DRV1.11 DRV2.10 | length 46.8
  Top Layer w0.254: v1@139.127,-89.817 140.117,-88.826 176.109,-88.826 177.151,-89.868 v1@178.548,-89.868
  Bottom Layer w0.254: DRV2.10@136.216,-88.032 138.027,-89.842 v1(139,-89.842) ; v1(178.344,-89.842) 178.795,-89.842 DRV1.11@180.605,-88.032
SCKO2: DRV2.11 DRV3.10 | length 46.8
  Top Layer w0.254: v1@88.936,-89.919 89.927,-88.928 125.919,-88.928 126.96,-89.969 v1@128.357,-89.969
  Bottom Layer w0.254: DRV3.10@86.204,-88.032 88.014,-89.842 v1(88.987,-89.842) ; v1(128.256,-89.842) 128.261,-89.837 128.712,-89.837 DRV2.11@130.516,-88.032
SCKO3: DRV3.11 DRV4.10 | length 46.4
  Top Layer w0.254: v1(38.822,-89.792) 39.813,-88.801 75.805,-88.801 76.846,-89.842 v1(78.243,-89.842)
  Bottom Layer w0.254: DRV4.10@36.039,-87.981 37.849,-89.792 v1(38.822,-89.792) ; v1@78.261,-89.835 DRV3.11@80.072,-88.024
SCL: EXP1_EXP_BTN1.22 EXP1_EXP_BTN2.22 J3_DISP0.9 J3_DISP1.9 J3_DISP2.9 J3_DISP3.9 J3_DISP4.9 J3_DISP5.9 J3_DISP6.9 pad.5 SIG.4 | length 434
  Top Layer w0.254: v1(83.75,-1.25) 83.75,-2 83.25,-2.5 83.25,-4.5 86.251,-7.501 87.9,-7.501 ; 87.901,-7.5 J3_DISP0.9@90.201,-7.5 ; v1(211.5,-34.1) 211.516,-34.084 213.075,-34.084 J3_DISP2.9@215.376,-34.083 ; v1(211.5,-7) v1(211.5,-13.75) 211.674,-13.576 212.8,-13.576 ; v1@211.508,-54.592 213,-54.592 ; v1@211.6,-75.1 212.9,-75.1 ; 212.801,-13.575 J3_DISP1.9@215.101,-13.575 ; 212.901,-75.099 J3_DISP4.9@215.201,-75.099 ; 213.001,-54.591 J3_DISP3.9@215.301,-54.591 ; SIG.4@232.29,-54.715 232.29,-56.04 232.5,-56.25 232.5,-59.35 233.2,-60.05 v1(233.2,-60.2) ; v1(307.824,-9.176) 309.4,-9.176 ; v1@307.9,-21.623 307.953,-21.676 J3_DISP6.9@311.701,-21.676 ; 309.401,-9.175 J3_DISP5.9@311.701,-9.175
  Bottom Layer w0.254: v1(83.75,-1.25) 84.5,-1.25 84.75,-1.5 208.75,-1.5 211.5,-4.25 ; v1(211.5,-13.75) 211.5,-18.25 ; v1(211.5,-7) 211.5,-4.25 ; v1@211.6,-75.1 v1(211.5,-75) 211.5,-18.25 ; SIG.4@232.29,-54.715 232.29,-53.91 233.5,-52.7 233.5,-51.9 235,-50.4 235.908,-50.4 240.608,-45.7 ; v1(233.2,-60.2) 233.2,-68.1 233.678,-68.578 EXP1_EXP_BTN2.22@235.846,-68.578 ; pad.5@242.9,-45.7 240.608,-45.7 ; v1(307.9,-21.5) 307.9,-9.3 307.8,-9.2 301.7,-9.2 294.7,-2.2 257.1,-2.2 255.05,-4.25 211.5,-4.25 ; 211.5,-18.25 212.097,-17.653 230.134,-17.653 231.852,-19.371 232.471,-19.371 238.5,-25.4 238.5,-36.5 238.897,-36.897 EXP1_EXP_BTN1.22@240.129,-36.897 241.897,-36.897 241.897,-37.326 243.204,-38.633 243.204,-43.104 240.608,-45.7
  other v1: 211.5,-54.6
SDA: EXP1_EXP_BTN1.23 EXP1_EXP_BTN2.23 pad.4 SIG.3 U8.3 | length 67.6
  Top Layer w0.254: SIG.3@232.29,-52.175 233.5,-53.385 233.5,-55.5 234.2,-56.2 234.2,-59.8 v1(234.3,-59.9) ; v1(237.5,-28.3) 237.5,-17.12 U8.3@240.2,-14.42
  Bottom Layer w0.254: SIG.3@232.29,-52.175 232.29,-50.61 236.95,-45.95 ; 234.2,-67.65 234.475,-67.925 235.828,-67.925 EXP1_EXP_BTN2.23@235.846,-67.943 ; 234.3,-67.8 v1(234.3,-59.9) ; pad.4@234.7,-45.9 236.9,-45.9 236.95,-45.95 ; v1(237.5,-28.3) 237.5,-36.3 238.732,-37.532 EXP1_EXP_BTN1.23@240.129,-37.532 241.532,-37.532 242.8,-38.8 242.8,-40.1 236.95,-45.95
SDA_DISP0: J3_DISP0.10 J3_DISP0.11 R9_DISP0.2 U8.13 | length 158.2
  Top Layer w0.254: 91.201,-8 J3_DISP0.10@90.201,-8 J3_DISP0.11@90.201,-8.5 90.901,-8.5 91.6,-7.801 v1(91.8,-7.801) 93.525,-6.076 93.525,-2.176 94.701,-1 231.66,-1 U8.13@237.66,-7
  Bottom Layer w0.254: v1@92,-7.801 R9_DISP0.2@93.4,-7.801
SDA_DISP1: J3_DISP1.10 J3_DISP1.11 R9_DISP1.2 U8.14 | length 28.3
  Top Layer w0.254: J3_DISP1.11@215.101,-14.575 J3_DISP1.10@215.101,-14.075 216.501,-14.075 v1(216.7,-13.876) ; v1(222.7,-12.5) v1(226.6,-8.6) ; v1(238.6,-8.6) U8.14@240.2,-7
  Bottom Layer w0.254: v1@216.9,-13.876 R9_DISP1.2@218.3,-13.876 221.324,-13.876 v1(222.7,-12.5) ; v1(226.6,-8.6) v1(238.6,-8.6)
SDA_DISP2: J3_DISP2.10 J3_DISP2.11 R9_DISP2.2 U8.15 | length 45
  Top Layer w0.254: J3_DISP2.11@215.117,-35.083 215.617,-34.583 216.776,-34.583 v1(216.975,-34.384) ; v1(233.8,-23.1) 233.8,-13.1 237,-9.9 239.64,-9.9 U8.15@242.74,-6.8
  Bottom Layer w0.254: v1@217.175,-34.384 R9_DISP2.2@218.575,-34.384 229.059,-23.9 233,-23.9 v1(233.8,-23.1)
SDA_DISP3: J3_DISP3.10 J3_DISP3.11 R9_DISP3.2 U8.12 | length 60.7
  Top Layer w0.254: J3_DISP3.11@215.301,-55.591 J3_DISP3.10@215.301,-55.091 ; J3_DISP3.10@215.301,-55.091 216.701,-55.091 v1(216.9,-54.892) ; v1(225.717,-28.483) 225.717,-22.917 225.3,-22.5 v1(226.5,-21.3) ; v1(231,-19.9) 231,-13.4 235.12,-9.28 U8.12@235.12,-6.8 U8.12@235.1,-6.8
  Bottom Layer w0.254: v1@217.1,-54.892 R9_DISP3.2@218.5,-54.892 221.1,-52.292 221.1,-33.1 v1(225.717,-28.483) ; v1(226.5,-21.3) 229.6,-21.3 v1(231,-19.9)
SDA_DISP4: J3_DISP4.10 J3_DISP4.11 R9_DISP4.2 U8.1 | length 85.8
  Top Layer w0.254: J3_DISP4.11@215.201,-76.099 J3_DISP4.10@215.201,-75.599 216.601,-75.599 v1(216.8,-75.4) ; v1(234.6,-29.1) 235.9,-30.4 239.6,-30.4 245.28,-24.72 U8.1@245.28,-14.42
  Bottom Layer w0.254: v1@217,-75.4 R9_DISP4.2@218.4,-75.4 218.9,-75.4 220.1,-74.2 220.1,-60.5 222.2,-58.4 222.2,-57.1 224.559,-54.741 224.559,-30.606 225.079,-30.086 225.086,-30.086 225.519,-29.652 225.529,-29.652 226.081,-29.1 v1(234.6,-29.1)
SDA_DISP5: J3_DISP5.10 J3_DISP5.11 R9_DISP5.2 U8.5 | length 94.8
  Top Layer w0.254: U8.5@235.12,-14.42 238.74,-10.8 242.3,-10.8 244.1,-9 244.1,-3.7 246.6,-1.2 297,-1.2 306.476,-10.676 310.1,-10.676 310.601,-10.175 J3_DISP5.11@311.701,-10.175 ; J3_DISP5.11@311.701,-10.175 J3_DISP5.10@311.701,-9.675 313.101,-9.675 v1(313.3,-9.476) 313.1,-9.476 312.401,-10.175 J3_DISP5.11@311.701,-10.175
  Bottom Layer w0.254: v1@313.5,-9.476 R9_DISP5.2@314.9,-9.476
SDA_DISP6: J3_DISP6.10 J3_DISP6.11 R9_DISP6.2 U8.2 | length 79.9
  Top Layer w0.254: U8.2@242.74,-14.42 242.74,-14.06 244.3,-12.5 248.1,-12.5 249,-13.4 249,-16.5 254.684,-22.184 273.755,-22.184 274.159,-22.588 277.112,-22.588 277.516,-22.184 306.184,-22.184 306.676,-22.676 J3_DISP6.11@311.701,-22.676 J3_DISP6.10@311.701,-22.176 313.101,-22.176 v1(313.3,-21.977)
  Bottom Layer w0.254: v1@313.5,-21.977 R9_DISP6.2@314.9,-21.977
SDA_DISP7: U8.4
SDTO1: DRV1.12 DRV2.9 | length 44.7
  Top Layer w0.254: v1@139.169,-87.912 v1(177.887,-87.912) v1@178.116,-87.912
  Bottom Layer w0.254: DRV2.9@136.216,-87.382 DRV2.9@136.323,-87.382 138.487,-87.382 v1(138.898,-87.794) ; v1(177.887,-87.912) 178.417,-87.382 DRV1.12@180.605,-87.382
SDTO2: DRV2.12 DRV3.9 | length 44.7
  Top Layer w0.254: v1@88.979,-88.014 v1(127.798,-88.014) v1@127.925,-88.014
  Bottom Layer w0.254: DRV3.9@86.341,-87.401 88.493,-87.401 v1(88.886,-87.794) ; v1(127.798,-88.014) 127.798,-87.912 128.328,-87.382 DRV2.12@130.516,-87.382
SDTO3: DRV3.12 DRV4.9 | length 44.9
  Top Layer w0.254: v1(38.721,-87.743) 38.864,-87.887 v1(77.811,-87.887)
  Bottom Layer w0.254: DRV4.9@36.039,-87.331 38.309,-87.331 v1(38.721,-87.743) ; v1(77.811,-87.887) 78.316,-87.382 DRV3.12@80.504,-87.382
SPCK: DRV1.10 pad.10 SIG.6 | length 78.1
  Top Layer w0.254: v1(189.089,-89.842) 190.917,-89.842 192.289,-88.471 210.272,-88.471 v1(212.543,-86.2) 222.5,-76.243 v1@222.5,-62
  Bottom Layer w0.254: DRV1.10@186.305,-88.032 188.115,-89.842 v1(189.089,-89.842) ; pad.10@212.502,-81 v1(212.543,-86.2) ; v1(222.7,-62) 222.7,-61.8 226,-58.5 232.5,-58.5 234.83,-56.17 SIG.6@234.83,-54.715
SW1: EXP1_EXP_BTN2.4 P1.SIG2 R11_EXP_BTN2.4 | length 62.6
  Top Layer w0.254: v1(201.9,-63.2) 201.9,-60.2 202.172,-59.928 224.328,-59.928 229.512,-65.112 235.798,-65.112 237.5,-66.814 v1@237.5,-69.2
  Bottom Layer w0.254: P1.SIG2@200.357,-71.548 200.357,-64.743 v1(201.9,-63.2) ; v1(237.4,-69.3) 237.487,-69.213 EXP1_EXP_BTN2.4@241.154,-69.213 242.197,-69.213 243.355,-70.37 243.809,-70.37 245.061,-71.623 R11_EXP_BTN2.4@246.031,-71.623
SW2: EXP1_EXP_BTN2.5 P1.SIG4 R11_EXP_BTN2.3 | length 86.8
  Top Layer w0.254: v1(176.9,-63.1) 180.476,-59.524 224.495,-59.524 229.679,-64.708 235.965,-64.708 238,-66.743 v1(238,-69.9)
  Bottom Layer w0.254: P1.SIG4@175.357,-71.448 175.357,-64.643 v1(176.9,-63.1) ; v1(238,-69.9) 238.052,-69.848 EXP1_EXP_BTN2.5@241.154,-69.848 242.248,-69.848 244.658,-72.258 244.846,-72.258 R11_EXP_BTN2.3@246.031,-72.258
SW3: EXP1_EXP_BTN2.6 P2.SIG2 R11_EXP_BTN2.2 | length 112.7
  Top Layer w0.254: v1(151.8,-63) 155.68,-59.12 224.663,-59.12 229.847,-64.304 236.133,-64.304 238.8,-66.971 v1(238.8,-70.5)
  Bottom Layer w0.254: P2.SIG2@150.257,-71.348 150.257,-64.543 v1(151.8,-63) ; v1(238.8,-70.5) 241.137,-70.5 EXP1_EXP_BTN2.6@241.154,-70.483 242.221,-70.483 244.638,-72.9 245.1,-72.9 ; 245.061,-72.893 R11_EXP_BTN2.2@246.031,-72.893
SW4: EXP1_EXP_BTN2.7 P2.SIG4 R11_EXP_BTN2.1 | length 138.8
  Top Layer w0.254: v1(126.8,-63.5) 131.584,-58.716 224.83,-58.716 230.014,-63.9 236.3,-63.9 239.6,-67.2 239.5,-67.3 v1(239.5,-71.1)
  Bottom Layer w0.254: P2.SIG4@125.257,-71.848 125.257,-65.043 v1(126.8,-63.5) ; v1(239.5,-71.1) 241.137,-71.1 EXP1_EXP_BTN2.7@241.154,-71.118 242.006,-71.118 244.416,-73.528 R11_EXP_BTN2.1@246.031,-73.528
SW5: EXP1_EXP_BTN2.8 P3.SIG2 R11_EXP_BTN2.9 | length 184.5
  Top Layer w0.254: v1(101.7,-63.4) 106.788,-58.312 226.012,-58.312 230.1,-62.4 248.8,-62.4 249.795,-63.395 249.795,-72.308 249.097,-73.006 v1(249.05,-73.006)
  Bottom Layer w0.254: P3.SIG2@100.157,-71.748 100.157,-64.943 v1(101.7,-63.4) ; EXP1_EXP_BTN2.8@241.154,-71.753 242.069,-71.753 244.294,-73.977 244.294,-74.186 244.617,-74.51 245.074,-74.51 245.315,-74.751 249.451,-74.751 250,-74.202 250,-73.956 v1(249.05,-73.006) 248.937,-72.893 R11_EXP_BTN2.9@247.86,-72.893
SW6: EXP1_EXP_BTN2.9 P3.SIG4 R11_EXP_BTN2.8 | length 212.8
  Top Layer w0.254: v1(76.8,-63.4) 76.8,-62.2 81.092,-57.908 226.179,-57.908 230.267,-61.996 249.367,-61.996 250.5,-63.129 250.5,-72.05 250.199,-72.35 ; v1(250.2,-72.975) 250.2,-72.351
  Bottom Layer w0.254: P3.SIG4@75.257,-71.748 75.257,-64.943 v1(76.8,-63.4) ; EXP1_EXP_BTN2.9@241.154,-72.388 242.133,-72.388 243.89,-74.144 243.89,-74.353 244.691,-75.155 249.618,-75.155 250.404,-74.369 250.404,-73.204 249.407,-72.208 247.91,-72.208 R11_EXP_BTN2.8@247.86,-72.258
SW7: EXP1_EXP_BTN2.10 P4.SIG2 R11_EXP_BTN2.7 | length 242.7
  Top Layer w0.254: v1(51.7,-63.3) 51.7,-59.1 53.296,-57.504 226.347,-57.504 230.435,-61.592 249.535,-61.592 251.4,-63.457 251.4,-72.45 v1@251.3,-72.55 ; v1@251.012,-72.838 v1@251.196,-72.654 ; v1(251.112,-72.654) v1@251.196,-72.654 ; v1@251.271,-72.654 v1@251.196,-72.654 ; v1@251.375,-72.55 v1@251.3,-72.55 ; v1@251.196,-72.654 v1@251.3,-72.55
  Bottom Layer w0.254: P4.SIG2@50.157,-71.648 50.157,-64.843 v1(51.7,-63.3) ; EXP1_EXP_BTN2.10@241.154,-73.023 242.197,-73.023 243.486,-74.312 243.486,-74.521 244.523,-75.559 249.786,-75.559 250.9,-74.444 250.9,-73.45 251.112,-73.238 v1(251.112,-72.654) ; R11_EXP_BTN2.7@247.86,-71.623 250.123,-71.623 v1@251.133,-72.633
SW8: EXP1_EXP_BTN2.11 P4.SIG4 R11_EXP_BTN2.6 | length 270.7
  Top Layer w0.254: v1(26.7,-63.2) 32.8,-57.1 226.514,-57.1 230.602,-61.188 249.702,-61.188 251.5,-62.986 251.85,-63.336 251.85,-73.25 251.5,-73.6 251.5,-74.875 v1(251.175,-75.2)
  Bottom Layer w0.254: P4.SIG4@25.157,-71.548 25.157,-64.743 v1(26.7,-63.2) ; EXP1_EXP_BTN2.11@241.154,-73.658 242.26,-73.658 243.082,-74.479 243.082,-74.688 244.356,-75.963 250.412,-75.963 251.975,-74.4 251.975,-72.6 251.374,-71.599 250.743,-70.968 249.888,-70.988 R11_EXP_BTN2.6@247.86,-70.988
SW9: EXP1_EXP_BTN2.13 P1.SIG6 R12_EXP_BTN2.4 | length 53.6
  Top Layer w0.254: v1(205.4,-94.9) 228.95,-71.35 v1(229.1,-71.35)
  Bottom Layer w0.254: P1.SIG6@200.396,-96.548 203.752,-96.548 v1(205.4,-94.9) ; R12_EXP_BTN2.4@230.331,-71.622 229.372,-71.622 v1(229.1,-71.35) 227.695,-72.755 227.695,-74.482 229.013,-75.8 234.414,-75.8 235.846,-74.368 EXP1_EXP_BTN2.13@235.846,-74.293
SW10: EXP1_EXP_BTN2.14 P1.SIG8 R12_EXP_BTN2.3 | length 83.5
  Top Layer w0.254: v1(179.7,-100.2) 183.8,-104.3 v1(187.1,-104.3) ; v1(206.5,-95) 206.5,-94.869 229.1,-72.269 v1(229.1,-72.2)
  Bottom Layer w0.254: P1.SIG8@175.396,-96.548 179.048,-100.2 v1(179.7,-100.2) ; v1(187.1,-104.3) 197.2,-104.3 v1(206.5,-95) ; R12_EXP_BTN2.3@230.331,-72.257 229.157,-72.257 v1(229.1,-72.2) 229.1,-72.269 228.099,-73.27 228.099,-74.315 229.092,-75.308 234.335,-75.308 234.769,-74.874 234.769,-74 234.805,-73.964 234.805,-73.9 235.047,-73.658 EXP1_EXP_BTN2.14@235.846,-73.658
SW11: EXP1_EXP_BTN2.15 P2.SIG6 R12_EXP_BTN2.2 | length 108.2
  Top Layer w0.254: v1(155.738,-97.335) 163.903,-105.5 v1(165.4,-105.5) ; v1(207.775,-94.6) 207.775,-94.381 229.159,-72.997 v1(229.25,-72.997)
  Bottom Layer w0.254: P2.SIG6@150.233,-96.548 154.951,-96.548 v1(155.738,-97.335) ; v1(165.4,-105.5) 196.9,-105.5 207.8,-94.6 v1(207.775,-94.6) ; R12_EXP_BTN2.2@230.331,-72.892 229.257,-72.892 229.25,-72.9 v1(229.25,-72.997) 229.159,-72.997 228.503,-73.653 228.503,-74.147 229.26,-74.904 234.167,-74.904 234.365,-74.707 234.365,-73.833 234.401,-73.796 234.401,-73.399 234.777,-73.023 EXP1_EXP_BTN2.15@235.846,-73.023
SW12: EXP1_EXP_BTN2.16 P2.SIG8 R12_EXP_BTN2.1 | length 131.3
  Top Layer w0.254: v1(131.1,-99.5) 134.8,-103.2 v1(134.8,-103.4) ; v1(208.9,-94.4) 229.1,-74.2 v1(229.1,-73.9)
  Bottom Layer w0.254: P2.SIG8@125.233,-96.548 128.185,-99.5 v1(131.1,-99.5) ; v1(134.8,-103.4) 160.2,-103.4 162.9,-106.1 197.281,-106.1 208.9,-94.481 v1(208.9,-94.4) ; R12_EXP_BTN2.1@230.331,-73.527 229.564,-73.527 229.191,-73.9 v1(229.1,-73.9) 229.7,-74.5 233.581,-74.5 233.961,-74.12 233.961,-73.665 233.997,-73.629 233.997,-73.103 234.7,-72.4 235.833,-72.4 EXP1_EXP_BTN2.16@235.846,-72.388
SW13: EXP1_EXP_BTN2.17 P3.SIG6 R12_EXP_BTN2.9 | length 178.6
  Top Layer w0.254: v1(218.2,-110.4) 218.6,-110 218.6,-87.769 233.319,-73.05 v1(233.4,-73.05)
  Bottom Layer w0.254: P3.SIG6@100.195,-96.548 100.195,-108.295 102.3,-110.4 v1(218.2,-110.4) ; R12_EXP_BTN2.9@232.16,-72.892 233.243,-72.892 v1(233.4,-73.05) 234.697,-71.753 EXP1_EXP_BTN2.17@235.846,-71.753
SW14: EXP1_EXP_BTN2.18 P3.SIG8 R12_EXP_BTN2.8 | length 197.8
  Top Layer w0.254: v1(217.1,-111.2) 217.3,-111 217.3,-88.306 233.319,-72.286 v1(233.319,-72.253)
  Bottom Layer w0.254: P3.SIG8@75.195,-96.548 89.847,-111.2 v1(217.1,-111.2) ; R12_EXP_BTN2.8@232.16,-72.257 232.168,-72.25 232.171,-72.253 v1(233.319,-72.253) 233.556,-72.253 233.56,-72.25 233.568,-72.257 234.725,-71.1 235.828,-71.1 EXP1_EXP_BTN2.18@235.846,-71.118
SW15: EXP1_EXP_BTN2.19 P4.SIG6 R12_EXP_BTN2.7 | length 231
  Top Layer w0.254: v1(216.1,-111.8) 216.3,-111.6 216.3,-88.428 233.378,-71.35 v1(233.4,-71.35)
  Bottom Layer w0.254: P4.SIG6@50.157,-96.548 52.9,-99.291 52.9,-111.2 53.5,-111.8 v1(216.1,-111.8) ; R12_EXP_BTN2.7@232.16,-71.622 232.578,-71.622 232.85,-71.35 v1(233.4,-71.35) 234.267,-70.483 EXP1_EXP_BTN2.19@235.846,-70.483
SW16: EXP1_EXP_BTN2.20 P4.SIG8 R12_EXP_BTN2.6 | length 250
  Top Layer w0.254: v1(214.8,-112.4) 215.3,-111.9 215.3,-88.6 v1(233.4,-70.5)
  Bottom Layer w0.254: P4.SIG8@25.157,-96.548 41.009,-112.4 v1(214.8,-112.4) ; R12_EXP_BTN2.6@232.16,-70.987 232.313,-70.987 232.8,-70.5 v1(233.4,-70.5) 234.052,-69.848 EXP1_EXP_BTN2.20@235.846,-69.848
VOUT_A_CC1: 
VOUT_A_CC2: 
VOUT_B_CC1: 
VOUT_B_CC2: 
pads on no net: DRV4.11 DRV4.12

## Polygon pours and split planes (outlines as drawn)
GND on Top Layer "GND" (solid, shelved, pour order 4): 0,0 0,-113.4 320,-113.4 320,0
GND on Bottom Layer "GND" (solid, shelved, pour order 6): 0,0 0,-113.4 320,-113.4 320,0

## Keep-outs
Keep-Out Layer:
  the board outline again, w0.254

## Other copper
Top Layer:
  region net 12V: 154.6,-4.3 162,-4.3 162,-6.5 159.5,-6.5 159.5,-9.3 154.6,-9.3
  region net 3.3V: 159.8,-9.2 159.8,-8.8 159.8,-6.9 162.4,-6.9 162.4,-4.3 167,-4.3 167,-9.2
  region net 12V: 155.5,-9 155.5,-30.25 157,-30.25 157,-9
  region net 3.3V: 93.75,-10.35 93.75,-11.5 18.6,-11.5 18.6,-10.35
Bottom Layer:
  rectangle net GND: 167.3,-9.2 206.5,-4.3
  region net 3.3V: 206.75,-60.25 206.875,-60.375 208,-60.375 208,-61 208,-61.25 207.5,-61 207.157,-60.657 206.75,-60.657
  region net 12V: 57.5,-60.1 58.5,-60.1 58.5,-102.2 57.5,-102.2
  region net 3.3V: 208,-60.375 207.25,-60.25 207.501,-61.013 207.5,-60.5 208,-60.375 207.501,-60.25 208.5,-60.5 208.5,-89.7 207.6,-89.7
  region net 3.3V: 207.4,-10.765 206.1,-10.765 206,-10.665 206,-60.302 207.501,-61.013
  region net 3.3V: 159.8,-9.2 159.8,-8.8 159.8,-6.9 162.4,-6.9 162.4,-4.3 167,-4.3 167,-9.2
  region net 12V: 154.6,-4.3 162,-4.3 162,-6.5 159.5,-6.5 159.5,-9.3 154.6,-9.3
  region net 3.3V: 167,-9.2 167,-10.3 253,-10.3 253,-11.5 159.8,-11.5 159.8,-9.2
  region net 3.3V: 252,-11.5 253,-11.5
  region net 3.3V: 251.5,-11.5 251.5,-21.2 302.6,-21.2 302.6,-20 253,-20 253,-11.5
  region net 3.3V: 159.8,-11.5 159.8,-10.35 90.75,-10.35 90.75,-11.5 159.8,-11.5 159.8,-10.35
  region net 12V: 155.5,-58 155.5,-60 157.75,-60 157.75,-102.75 158.25,-102.75 158.25,-58
  region net 12V: 158,-60.375 23.9,-60.375 24.5,-59.625 158,-59.625
  region net 12V: 155.5,-28.75 157,-28.75 157,-58 155.5,-58

## Text inside footprints (layer, text, board x,y; h text height)
AE: Bottom Overlay "2" at 278.643,-43.31 h1.27 r90; Bottom Overlay "1" at 281.183,-43.31 h1.27 r90; Bottom Overlay "15" at 281.183,-65.154 h1.27 r90; Bottom Overlay "16" at 278.643,-65.154 h1.27 r90
EXP1_EXP_BTN1: Mechanical 1 "*" at 235.289,-37.45 h1.88 r180; Bottom Overlay "*" at 233.989,-38.14 h1.88 r180
EXP1_EXP_BTN2: Mechanical 1 "*" at 240.686,-68.025 h1.88; Bottom Overlay "*" at 241.986,-67.335 h1.88
J3_DISP0: Top Overlay "12" at 90.201,-9.305 h1.27 r270; Top Overlay "1" at 90.201,-3.195 h1.27 r270; Top Overlay "1" at 90.201,-3.195 h1.27 r270; Mechanical 13 "12" at 90.201,-9.305 h1.27 r270; Mechanical 13 "1" at 90.201,-3.195 h1.27 r270; Mechanical 13 "1" at 90.201,-3.195 h1.27 r270; Bottom Overlay "12" at 90.201,-9.305 h1.27 r270; Bottom Overlay "12" at 90.201,-9.305 h1.27 r270; Bottom Overlay "1" at 90.201,-3.195 h1.27 r270; Bottom Overlay "1" at 90.201,-3.195 h1.27 r270
J3_DISP1: Top Overlay "12" at 215.101,-15.38 h1.27 r270; Top Overlay "12" at 215.101,-15.38 h1.27 r270; Top Overlay "1" at 215.101,-9.27 h1.27 r270; Top Overlay "1" at 215.101,-9.27 h1.27 r270; Mechanical 13 "12" at 215.101,-15.38 h1.27 r270; Mechanical 13 "12" at 215.101,-15.38 h1.27 r270; Mechanical 13 "1" at 215.101,-9.27 h1.27 r270; Mechanical 13 "1" at 215.101,-9.27 h1.27 r270; Bottom Overlay "12" at 215.101,-15.38 h1.27 r270; Bottom Overlay "12" at 215.101,-15.38 h1.27 r270; Bottom Overlay "1" at 215.101,-9.27 h1.27 r270; Bottom Overlay "1" at 215.101,-9.27 h1.27 r270
J3_DISP2: Top Overlay "12" at 215.376,-35.888 h1.27 r270; Top Overlay "12" at 215.376,-35.888 h1.27 r270; Top Overlay "1" at 215.376,-29.778 h1.27 r270; Top Overlay "1" at 215.376,-29.778 h1.27 r270; Mechanical 13 "12" at 215.376,-35.888 h1.27 r270; Mechanical 13 "12" at 215.376,-35.888 h1.27 r270; Mechanical 13 "1" at 215.376,-29.778 h1.27 r270; Mechanical 13 "1" at 215.376,-29.778 h1.27 r270; Bottom Overlay "12" at 215.376,-35.888 h1.27 r270; Bottom Overlay "12" at 215.376,-35.888 h1.27 r270; Bottom Overlay "1" at 215.376,-29.778 h1.27 r270; Bottom Overlay "1" at 215.376,-29.778 h1.27 r270
J3_DISP3: Top Overlay "12" at 215.301,-56.396 h1.27 r270; Top Overlay "12" at 215.301,-56.396 h1.27 r270; Top Overlay "1" at 215.301,-50.286 h1.27 r270; Top Overlay "1" at 215.301,-50.286 h1.27 r270; Mechanical 13 "12" at 215.301,-56.396 h1.27 r270; Mechanical 13 "12" at 215.301,-56.396 h1.27 r270; Mechanical 13 "1" at 215.301,-50.286 h1.27 r270; Mechanical 13 "1" at 215.301,-50.286 h1.27 r270; Bottom Overlay "12" at 215.301,-56.396 h1.27 r270; Bottom Overlay "12" at 215.301,-56.396 h1.27 r270; Bottom Overlay "1" at 215.301,-50.286 h1.27 r270; Bottom Overlay "1" at 215.301,-50.286 h1.27 r270
J3_DISP4: Top Overlay "12" at 215.201,-76.904 h1.27 r270; Top Overlay "12" at 215.201,-76.904 h1.27 r270; Top Overlay "1" at 215.201,-70.794 h1.27 r270; Top Overlay "1" at 215.201,-70.794 h1.27 r270; Mechanical 13 "12" at 215.201,-76.904 h1.27 r270; Mechanical 13 "12" at 215.201,-76.904 h1.27 r270; Mechanical 13 "1" at 215.201,-70.794 h1.27 r270; Mechanical 13 "1" at 215.201,-70.794 h1.27 r270; Bottom Overlay "12" at 215.201,-76.904 h1.27 r270; Bottom Overlay "12" at 215.201,-76.904 h1.27 r270; Bottom Overlay "1" at 215.201,-70.794 h1.27 r270; Bottom Overlay "1" at 215.201,-70.794 h1.27 r270
J3_DISP5: Top Overlay "12" at 311.701,-10.98 h1.27 r270; Top Overlay "12" at 311.701,-10.98 h1.27 r270; Top Overlay "1" at 311.701,-4.87 h1.27 r270; Top Overlay "1" at 311.701,-4.87 h1.27 r270; Mechanical 13 "RefDes2" at 311.701,-7.925 h1.27 r270; Mechanical 13 "12" at 311.701,-10.98 h1.27 r270; Mechanical 13 "12" at 311.701,-10.98 h1.27 r270; Mechanical 13 "1" at 311.701,-4.87 h1.27 r270; Mechanical 13 "1" at 311.701,-4.87 h1.27 r270; Bottom Overlay "12" at 311.701,-10.98 h1.27 r270; Bottom Overlay "12" at 311.701,-10.98 h1.27 r270; Bottom Overlay "1" at 311.701,-4.87 h1.27 r270; Bottom Overlay "1" at 311.701,-4.87 h1.27 r270